# Altium PCB mini3216时钟V2.0.PcbDoc (continued)
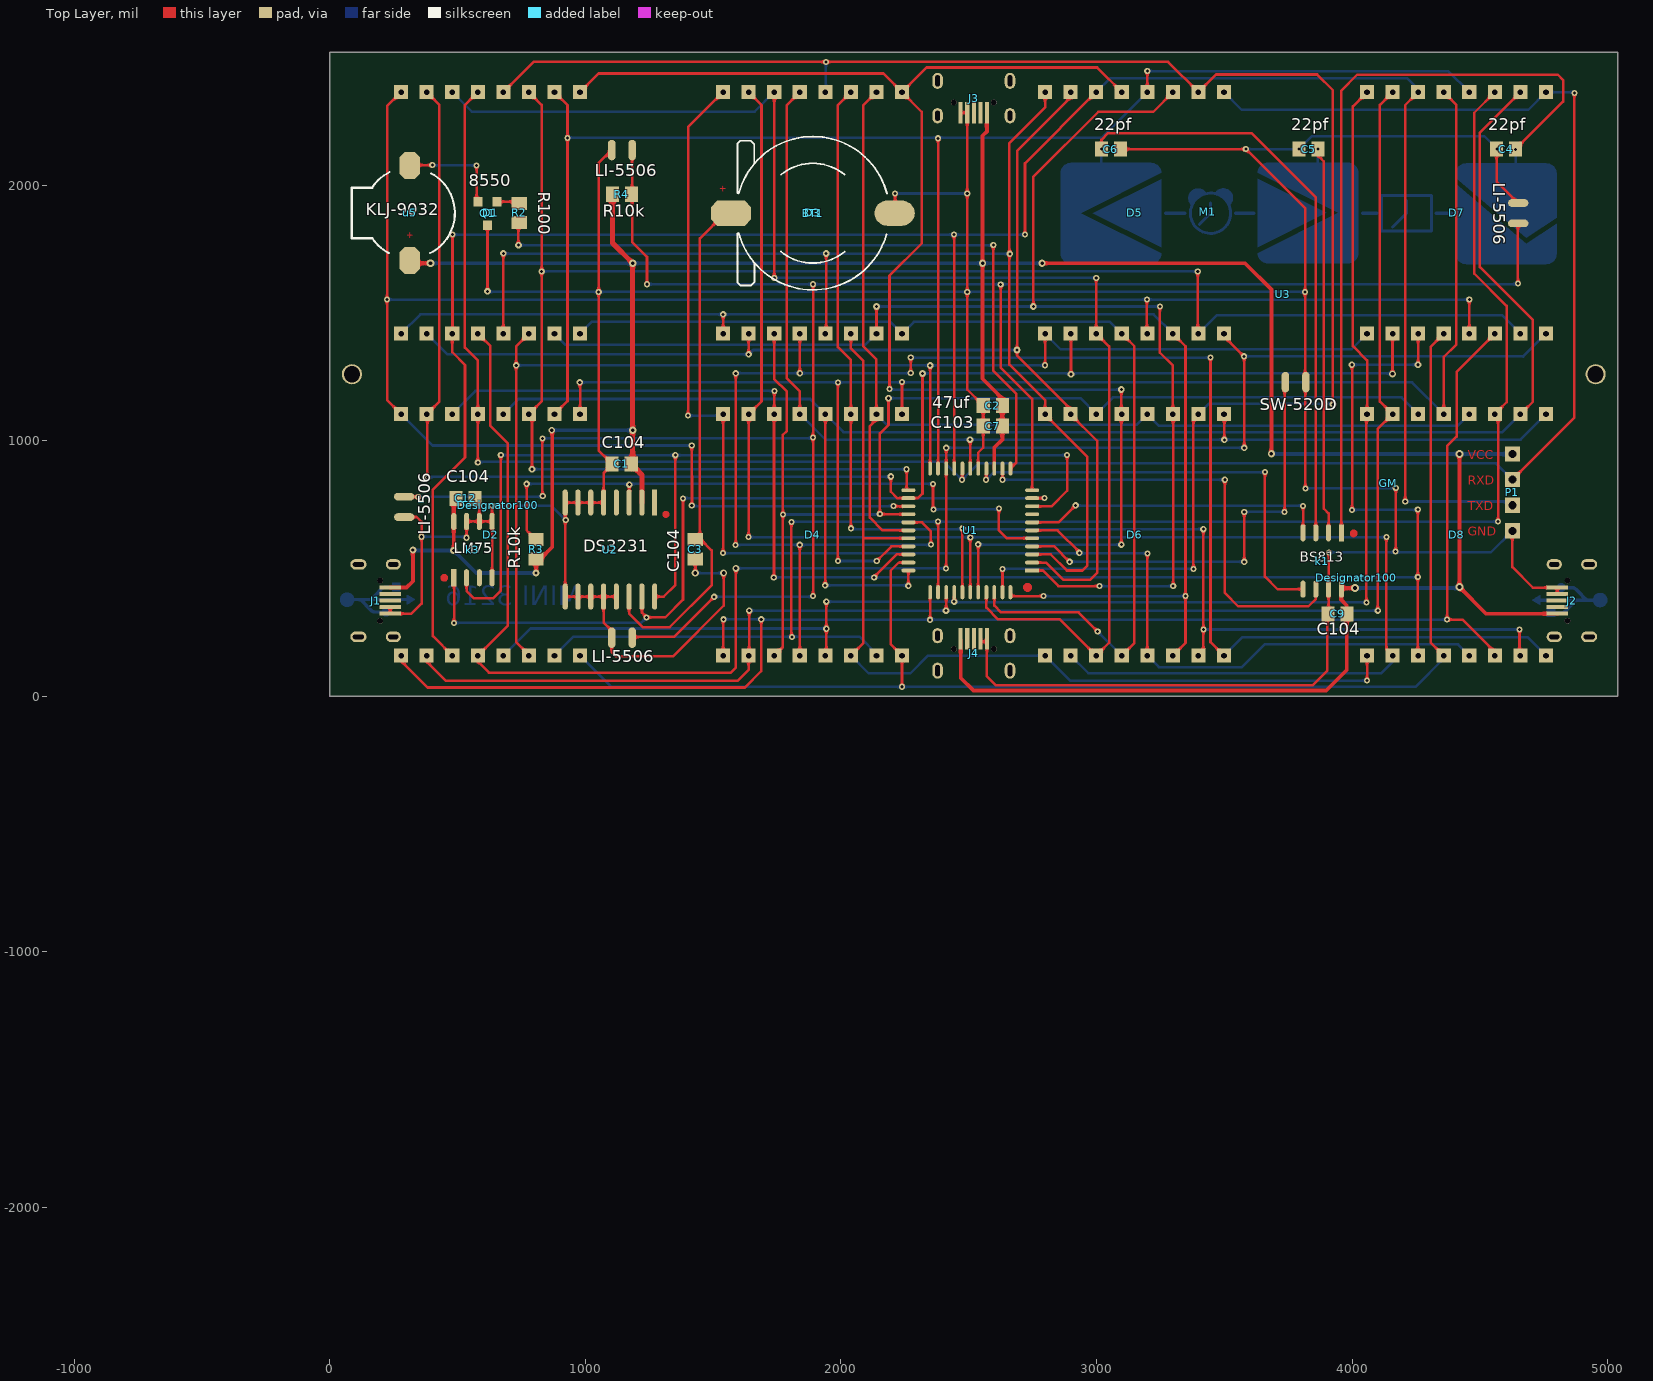
[diagram p0: Top Layer view]
## Nets (pads, with @x,y where several pads share a name; then routed paths per layer and width w, separated by ;. In a path a pad name is that pad's centre, name@x,y a point inside that pad or via, vN(x,y) a via of type N, cw(c..) or ccw(c..) an arc to the next point about the centre after c; other vN are vias at no path point) (continued)
  Bottom Layer w10: v1(1541,301) v1(1688,301) 1689,300 v1(4372,300) ; D8.6 D8.6@4558.53,172.16
H14: D2.7 D4.7 D7.11 D8.11 U1.35 | length 6635.7
  Top Layer w10: v1(1806,682) 1806,239 1811,234 v1(1808,231) ; v1(2379,683) 2380,682 U1.35 ; U1.35@2379.92,405.51 U1.35@2379.92,406.87 ; D7.11 4478,2283.04 4478,1654 4605,1527 4605,1150.2 D8.11 ; D8.11@4567.28,1103.72 D8.11 ; v1(4571,683) 4571,1091.25 D8.11
  Bottom Layer w10: D2.7@879,147.68 D2.7 953.16,233 2072,233 2138.84,166.16 D4.7 ; v1(1806,682) 1809,685 1811,683 v1(2379,683) v1(4571,683)
H15: D2.2 D4.2 D7.15 D8.15 U1.36 | length 6209.1
  Top Layer w10: D2.2 379,136 455,60 1596,60 1638.84,102.84 D4.2 1641,161 v2(1641,335) ; v2(2411,335) 2412,336 U1.36 ; v2(4101,335) 4100,336 4100,1045.2 D8.15 4109,1153.25 4109,2314.04 D7.15 D7.15@4171,2351.09
  Bottom Layer w10: v2(1641,335) v2(2411,335) v2(4101,335)
H16: D2.5 D4.5 D7.16 D8.16 U1.37 | length 5717.7
  Top Layer w10: D4.5 1940,160 1938,162 1943,167 v2(1943,264) v2(1943,370) ; v2(2443,370) U1.37 ; v1(4056,367) 4056,1101.2 D8.16 4058.53,1314.47 4003,1370 4003,2308.04 D7.16
  Bottom Layer w10: D2.5 785.16,265 1942,265 v2(1943,264) ; v2(1943,370) v2(2443,370) 2446,367 v1(4056,367)
INT: SW-520D.1 U1.4 | length 1720.6
  Top Layer w10: U1.4 2835,586 v1(2895,526) ; v1(3578,526) 3577,527 3578,528 v1(3578,721) v1@3578,723 ; v1(3736,721) 3736,1224 3740,1228 SW-520D.1
  Bottom Layer w10: v1(2895,526) v1(3578,526) ; v1(3578,721) v1(3736,721)
INT_1HZ: R3.2 U1.5 U2.3 | length 2482.9
  Top Layer w10: v2(770,831) 770,649.4 R3.2 ; U2.3 1172,758.74 v2(1172,828) v2@1172,829 ; v1(2360,830) 2360,733 v1(2362,731) ; v1(2618,734) 2618,649 2649,618 U1.5 ; U1.5@2748.13,618.11 U1.5@2750,618.11
  Bottom Layer w10: v2(770,831) 2359,831 v1(2360,830) ; v1(2362,731) 2615,731 v1(2618,734)
JACK1: 
JACK2: 
key1: k1.6 U1.13 | length 1784.6
  Top Layer w10: v1@2632,847 U1.13 ; v2(3502,847) 3502,404 3554,352 3829,352 3858,381 k1.6
  Bottom Layer w10: v1(2631.89,847) v2(3502,847)
key2: k1.5 U1.15 | length 1725.5
  Top Layer w10: v1@2569,847 U1.15 ; v1(3659,877) 3659,468.45 3709,418.45 ; 3709.32,418.76 k1.5
  Bottom Layer w10: v1(2568,847) 2597,876 3658,876 v1(3659,877)
key3: k1.4 U1.7 | length 1194.2
  Top Layer w10: U1.7 2850.79,680 2917.79,747 v2(2918,747) ; k1.4 v1(3808,745)
  Bottom Layer w10: v2(2918,747) 2919,746 3807,746 v1(3808,745)
L1: D1.13 D2.13 D5.9 D7.9 P1.2 U1.18 | length 8712.3
  Top Layer w10: v1(579,915) D2.13 579,1313 528.34,1363.66 528.34,2312.91 D1.13 ; U1.18@2474,893.29 2474.41,893.7 U1.18@2474.41,891.13 ; v1@2475,847 U1.18 ; P1.2 4870,1090.43 v1(4870,2361)
  Bottom Layer w10: v1(579,915) 581,917 2404,917 v1(2474,847) 2538,911 4563.13,911 P1.2 ; D5.9 3567.57,2294.68 4689.65,2294.68 D7.9 4867.43,2363.57 v1(4870,2361)
L2: D1.3 D2.3 D5.14 D7.14 P1.3 U1.19 | length 8961.7
  Top Layer w10: D2.3 403,234.84 403,808 529,934 529,1296 479,1346 D1.3 480,1419.68 v1(480,1806) ; v1(2442,1806) 2442.91,1805.09 2442.91,984.91 2443,984.83 U1.19 ; v1@2720,1805 v1(2720,1806) 2720,2084.88 D5.14 ; D5.14@2998.13,2364.13 2998.68,2364.68 D5.14@2998.68,2383 ; v1(4208,762) 4208,2313.04 D7.14
  Bottom Layer w10: v1(480,1806) 481,1805 482,1806 v1(2442,1806) v1(2720,1806) ; D5.14 3053.8,2418.68 4215,2418.68 4258.53,2375.16 D7.14 ; v1(4208,762) 4610.13,762 4625.13,747 4626.13,748 P1.3
L3: D1.4 D2.4 D5.8 D7.8 U1.20 | length 6974.9
  Top Layer w10: D1.4 628,1369.68 628,1058 697,989 697,276.84 D2.4 579,135 622,92 1569,92 1589,112 v3(1589,500) ; v1(2411.42,500) U1.20@2411.42,891.71 ; U1.20 U1.20@2411.42,891.71 ; v2(2412,972) 2412,892.29 U1.20@2411.42,891.71 ; D5.8 3498.68,1407.95 v1(3576.63,1330) ; v2(3578,972) v1@3578,1330
  Bottom Layer w10: v3@1588,500 v3(1589,500) v1(2411.42,500) ; v2(2412,972) v2(3578,972) ; v1(3576.63,1330) 4667.84,1330 4668.84,1329 D7.8 D7.8@4767,1418.68
L4: D1.10 D2.10 D5.12 D7.12 U1.21 | length 6313.5
  Top Layer w10: D2.10 930,1154.72 v1(930,2184) 930,2312.57 D1.10 ; U1.21 v1(2380,2183) ; D5.12 v1(3198.68,2446)
  Bottom Layer w10: v1(930,2184) 932,2186 3021.12,2186 D5.12 ; v1(3198.68,2446) 4376.09,2446 D7.12
L5: D1.6 D2.6 D5.1 D7.1 U1.22 | length 5205.3
  Top Layer w10: D2.6 779,162 729,212 729,1368.69 D1.6 ; U1.22 2349,1005 v2(2349,1294) ; v1(2798,1295) 2798.68,1295.68 D5.1
  Bottom Layer w10: v2(729.32,1294.68) v1@2794,1294.68 ; D5.1@2797.18,1420.18 2859.68,1357.68 3997.53,1357.68 D7.1
L6: D1.11 D2.11 D5.7 D7.7 U1.23 | length 7204
  Top Layer w10: D1.11 829,2313.57 v1(829,1662) 829,1153.72 D2.11 791,1091.72 v2(791,888) ; v1(2257,888) 2257,812.87 U1.23 ; v1(3396,1662) 3396,1421.37 D5.7
  Bottom Layer w10: v2(791,888) v1(2257,888) ; v1(829,1662) v1(3396,1662) ; D5.7 3471,1491 4586.21,1491 D7.7
L7: D1.15 D2.15 D5.2 D7.2 U1.24 | length 6196.6
  Top Layer w10: D1.15 429,2313.57 429,1153.72 D2.15 378,1102.72 382,1098.72 v2(382,855) ; v2(2195,859.68) 2195,800 2220,775 U1.24 2301,775 2319,793 v2(2319,1263) ; D5.2 2901,1416.37 2900,1415.37 v2(2900,1259.68) ; v3(4158,1261) 4158,1418.16 D7.2
  Bottom Layer w10: v2(382,855) 385,858 2193.32,858 v2(2195,859.68) ; v2(2319,1263) 4156,1263 v3(4158,1261)
L8: D1.16 D2.16 D5.5 D7.5 U1.25 | length 8079.6
  Top Layer w10: D2.16 224,1158.72 224,2308.57 D1.16 ; v1(1416,746) 1417,747 v1(1416,981) ; v1(2204.9,744.1) 2206,743 U1.25 ; v1(3197,1552) 3197,1420.37 D5.5 ; D7.5 v1(4458.53,1552)
  Bottom Layer w10: v1(224,1552) v1(3197,1552) v1(4458.53,1552) ; D2.16 401.72,981 v1(1416,981) ; v1(1416,746) 1417.9,744.1 v1(2204.9,744.1)
L9: D3.13 D4.13 D6.9 D8.9 U1.17 | length 4518.8
  Top Layer w10: D4.13 1838.84,1193.16 1788,1244 1788,2312.72 D3.13 ; v2(2505,1004) 2505,993.81 2506,992.81 U1.17 ; D6.9 3500,1102.41 v2(3500,1003)
  Bottom Layer w10: D4.13 1938.57,1004 4658.8,1004 D8.9
L10: D3.3 D4.3 D6.14 D8.14 U1.26 | length 4407
  Top Layer w10: D4.3 1773,193 v1(1773,711) 1773,1023 1788,1038 1788,1192 1738.84,1241.16 D3.3 ; v2(2186,1166) 2186,1062 2152,1028 v1(2152,713) 2153,712 U1.26
  Bottom Layer w10: v1(1773,711) 2150,711 v1(2152,713) ; v2(2186,1166) 2936.41,1166 D6.14 ; D6.14@3002.32,1107.36 D6.14@3005,1104.68 ; D6.14@3005,1110.04 3063.96,1169 4193.25,1169 D8.14
L11: D3.4 D4.4 D6.8 D8.8 U1.27 | length 6614.1
  Top Layer w10: v1@1588.4,591.4 v2(1588.4,1263.4) ; D4.4 v2(1838.84,592) ; v2@1838.84,1263.68 D3.4 ; U1.27@2261.81,681.1 U1.27@2263.87,681.1 ; U1.27 2317,680 2352,645 v1(2352,593) ; v1(2273,1264) v1(2273,1325) ; v1@3446,1324 3446,211.53 D6.8
  Bottom Layer w10: v1@1588.4,592 v2(1838.84,592) 2351,592 v1(2352,593) ; v2@1588.4,1264 1838.68,1264 v2(1839,1263.68) 2272.68,1263.68 v1(2273,1264) ; v1(2273,1325) v1(3446,1325) ; D6.8 3570.84,231 4686.37,231 D8.8 4754,163.37 D8.8@4755,164.37
  other v1: 1588,591
L12: D3.10 D4.10 D6.12 D8.12 U1.28 | length 4281.1
  Top Layer w10: D3.10 2088,2312.72 2088,1369 2138.84,1318.16 D4.10 2138.84,1083 2113,1057.16 2113,699 2163,649 U1.28
  Bottom Layer w10: D4.10 2180.57,1062 3156.96,1062 D6.12 3244.41,1058 4412.8,1058 D8.12
L13: D3.6 D4.6 D6.1 D8.1 U1.29 | length 3692.6
  Top Layer w10: D4.6 2087,207 2087,619 ; D3.6 2038.84,1361.16 2087,1313 2087,619 ; U1.29 2088,618 2087,619 ; v1(4058.53,61.53) D8.1
  Bottom Layer w10: D4.6 2108.68,89 2271.16,89 2341,158.84 D6.1 2896.53,61 4058,61 v1(4058.53,61.53)
L14: D3.11 D4.11 D6.7 D8.7 U1.38 | length 5224.5
  Top Layer w10: D3.11 1988,2312.72 1988,1366 2038.84,1315.16 D4.11 2038.84,657.53 v1(2039.37,657) ; U1.38@2474.41,405.51 U1.38@2474.41,406.87 ; U1.38 2475,655.82 2474.41,656.41 v1(2475,657) ; D6.7 3418,178.16 v2(3418,654) ; v1(4655,261) 4655,162.37 D8.7
  Bottom Layer w10: v1(2039.37,657) 2042.37,654 v2(3418,654) ; v1(3418,261) v1(4655,261)
L15: D3.15 D4.15 D6.2 D8.2 U1.39 | length 6308.9
  Top Layer w10: v1(1638,623) 1638.84,623.84 D4.15 1689,1153.88 1689,2313.41 D3.15 ; U1.39@2505.91,405.51 U1.39@2505.91,406.87 ; U1.39 v1(2506,621) ; D6.2@2898.68,150.37 D6.2 ; v1(4134,623) 4134,183.37 D8.2
  Bottom Layer w10: v1(1638,623) 1639,622 4133,622 v1(4134,623) ; D6.2 2967.53,90 4114.32,90 4158.53,134.21 D8.2
L16: D3.16 D4.16 D6.5 D8.5 U1.6 | length 5624.4
  Top Layer w10: v1(1402,1098) 1402,2226.72 D3.16 ; v1(1538,560) 1538.84,560.84 D4.16 ; U1.6 2848,649 v2@2934.5,562.5 ; D6.5 3198.68,557.68 v1(3200,559)
  Bottom Layer w10: v1(1402,1098) 1533.12,1098 D4.16 ; v1(1538,560) 1539,559 v1(3200,559) ; D6.5 3243.53,114 3569,114 3658,203 4414.37,203 D8.5
  other v2: 2933,561
MOTOR: 
NetBT1_1: BT1.1 C3.1 U2.14 | length 2021.3
  Top Layer w10: U2.14 1171,323 1224,270 1330,270 1494,434 1494,571 1452.6,612.4 C3.1 ; C3.1@1448,630.4 1448,1791 1547,1890 BT1.1
NetC4_2: C4.2 k1.1 | length 3210.2
  Top Layer w10: k1.1 3958,2369.68 4020,2431.68 4805,2431.68 4826,2410.68 4826,2326.76 C4.2
  Bottom Layer w10: 4591,1929.68 4591,1983.68 4640,2032.68 v1(4640,2139.68)
NetC5_2: C5.2 k1.2 | length 1636.5
  Top Layer w10: C5.2 3866.92,2115.08 3889,2093 3889,734 3908,715 k1.2
  Bottom Layer w10: 3866,2023.68 v1(3866,2141.68)
NetC6_2: C6.2 k1.3 | length 2385.2
  Top Layer w10: v1(3019.12,2140.68) 3019.12,2177.12 3045,2203 3607,2203 3858,1952 k1.3
  Bottom Layer w10: 3018,2058.68 3019.12,2059.8 v1(3019.12,2140.68)
NetQ1_1: Q1.1 R2.2 | length 79.7
  Top Layer w10: Q1.1 R2.2@734.14,1935.26
NetQ1_2: Q1.2 u5.2 | length 403.5
  Top Layer w10: u5.2 313.82,2078 v1(401,2078) ; Q1.2@574,1935.26 v1(574,2077)
  Bottom Layer w10: v1(401,2078) 402,2077 v1(574,2077)
NetR1_1: 
OUT1: 
OUT2: 
SCL: k3.2 U1.9 U2.16 | length 3867.8
  Top Layer w10: k3.2 535,412 564,383 639,383 669,413 v1(669,944) ; U2.16 1306.63,389.63 1352,435 v2(1352,943) ; U1.9 2824,743 2885,804 v1(2885,944)
  Bottom Layer w10: v1@669,943 v2(1352,943) 2885,943 v1(2885,944)
SDA: k3.1 U1.10 U2.15 | length 3062.3
  Top Layer w10: k3.1 486,462.45 v1(486,287) ; U2.15 1221,327 v1(1239.5,308.5) 1312.5,308.5 1382,378 v1(1382,774) ; U1.10 v1(2797,775) ; U1.10@2748.13,775.59 U1.10@2750,775.59
  Bottom Layer w10: v1(486,287) 1218,287 v1(1239.5,308.5) ; v1(1382,774) 1384,776 1385,775 v1(2797,775)
USB_ID: 
USB_ID2: 
VCC: C1.1 C2.1 C7.1 C9.2 C12.1 J1.1 J2.1 J3.1 J4.1 k1.8 k3.8 P1.1 R3.1 R4.1 U1.14 U2.2 u5.1 | length 13018.4
  Top Layer w15: J1.1 300.2,425.2 325,450 v6(325,572) ; u5.1@323.82,1694 v4(394,1694) ; v6(485,570) k3.8 485,765.4 C12.1 ; v6(807,482) R3.1 824.6,537.6 870,583 870,1039 v8(868,1041) ; J4.1@2468.5,220.47 2468.5,71.5 2518,22 3899,22 3979,102 3979,355 3958,376 k1.8 3962.24,423 v5(4011,423) ; J3.1 2570.87,2209.87 2554,2193 2554,1242 2635,1161 2635,1150.4 2631.4,1146.8 C7.1 2631.4,1004.4 2600,973 U1.14 ; v3(2787,1694) 3581,1694 3684,1591 v3(3684,949) ; v5(4420,948) 4421,947 4420,946 v5(4420,427) 4524.17,322.83 J2.1
  Top Layer w20: u5.1 u5.1@323.82,1694 ; R4.1 1105.6,1773.4 v4(1185,1694) v4(1185,1041) 1185,902 1221,866 U2.2
  Bottom Layer w15: v6(325,572) 327,570 v6(485,570) 573,482 v6(807,482) ; v4(394,1694) v4(1185,1694) v3(2554,1694) v3(2787,1694) ; v8(868,1041) v4(1185,1041) ; v3(3684,949) 3685,948 v5(4420,948) 4420.72,947.28 P1.1 ; v5(4011,423) 4416,423 v5(4420,427)
VL: 
Voice1: 
pads on no net: J1.0 J1.2 J1.3 J2.0 J2.2 J2.3 J3.0 J3.2 J3.3 J4.0 J4.2 J4.3 k3.3 U1.8 U2.1 U2.4
copper on no net: | length 19458.5
  Top Layer w18: 1320,711.68 ccw(c1315,711.68) 1320,711.68
  Top Layer w20: 453,463 ccw(c448,463) 453,463 ; 4011,637 ccw(c4006,637) 4011,637
  Top Layer w25: 2735,426 ccw(c2730,426) 2735,426
  Bottom Layer w1: 40,372.68 94,372.68 ; 40,373.68 95,373.68 ; 40,374.68 326,374.68 ; 40,375.68 327,375.68 ; 40,376.68 329,376.68 ; 40,377.68 331,377.68 ; 40,378.68 333,378.68 ; 40,379.68 332,379.68 ; 40,380.68 330,380.68 ; 40,381.68 328,381.68 ; 40,382.68 326,382.68 ; 40,383.68 325,383.68 ; 40,384.68 94,384.68 ; 40,385.68 94,385.68 ; 41,371.68 93,371.68 ; 42,369.68 93,369.68 ; 42,370.68 93,370.68 ; 42,386.68 93,386.68 ; 42,387.68 93,387.68 ; 42,388.68 93,388.68 ; 43,367.68 92,367.68 ; 43,368.68 92,368.68 ; 43,389.68 92,389.68 ; 43,390.68 92,390.68 ; 44,365.68 91,365.68 ; 44,366.68 91,366.68 ; 44,391.68 91,391.68 ; 44,392.68 91,392.68 ; 45,363.68 90,363.68 ; 45,364.68 90,364.68 ; 45,393.68 90,393.68 ; 46,362.68 89,362.68 ; 46,394.68 89,394.68 ; 47,360.68 87,360.68 ; 47,361.68 88,361.68 ; 47,395.68 88,395.68 ; 47,396.68 88,396.68 ; 48,359.68 86,359.68 ; 48,397.68 87,397.68 ; 49,398.68 86,398.68 ; 50,358.68 85,358.68 ; 50,399.68 85,399.68 ; 51,357.68 84,357.68 ; 52,356.68 83,356.68 ; 52,400.68 83,400.68 ; 53,401.68 82,401.68 ; 54,355.68 81,355.68 ; 55,402.68 80,402.68 ; 56,354.68 80,354.68 ; 57,403.68 78,403.68 ; 58,353.68 77,353.68 ; 60,404.68 75,404.68 ; 61,352.68 74,352.68 ; 65,405.68 70,405.68 ; 114,373.68 135,373.68 ; 118,372.68 135,372.68 ; 120,371.68 136,371.68 ; 122,370.68 137,370.68 ; 123,369.68 138,369.68 ; 124,368.68 139,368.68 ; 125,367.68 139,367.68 ; 126,366.68 141,366.68 ; 127,365.68 141,365.68 ; 128,364.68 142,364.68 ; 129,363.68 143,363.68 ; 130,362.68 144,362.68 ; 131,361.68 145,361.68 ; 132,360.68 146,360.68 ; 133,359.68 147,359.68 ; 134,358.68 148,358.68 ; 135,357.68 149,357.68 ; 136,355.68 151,355.68 ; 136,356.68 150,356.68 ; 137,354.68 152,354.68 ; 138,353.68 153,353.68 ; 139,352.68 154,352.68 ; 140,351.68 155,351.68 ; 141,350.68 156,350.68 ; 142,349.68 157,349.68 ; 143,348.68 158,348.68 ; 144,347.68 159,347.68 ; 145,346.68 159,346.68 ; 146,345.68 160,345.68 ; 147,344.68 161,344.68 ; 148,343.68 162,343.68 ; 149,342.68 163,342.68 ; 150,341.68 164,341.68 ; 151,340.68 165,340.68 ; 152,339.68 166,339.68 ; 153,338.68 167,338.68 ; 154,337.68 168,337.68 ; 155,335.68 173,335.68 ; 155,336.68 170,336.68 ; 156,334.68 235,334.68 ; 157,333.68 235,333.68 ; 158,332.68 235,332.68 ; 158,384.68 176,384.68 ; 160,331.68 235,331.68 ; 160,385.68 176,385.68 ; 161,330.68 235,330.68 ; 162,329.68 235,329.68 ; 162,386.68 177,386.68 ; 164,328.68 235,328.68 ; 164,387.68 178,387.68 ; 165,388.68 179,388.68 ; 166,327.68 235,327.68 ; 166,389.68 180,389.68 ; 167,390.68 181,390.68 ; 168,326.68 235,326.68 ; 168,391.68 182,391.68 ; 168,392.68 183,392.68 ; 169,393.68 184,393.68 ; 170,394.68 185,394.68 ; 171,325.68 235,325.68 ; 171,395.68 186,395.68 ; 172,396.68 187,396.68 ; 173,397.68 187,397.68 ; 174,398.68 188,398.68 ; 175,399.68 189,399.68 ; 176,400.68 190,400.68 ; 177,401.68 191,401.68 ; 178,402.68 192,402.68 ; 179,403.68 193,403.68 ; 180,404.68 194,404.68 ; 181,405.68 195,405.68 ; 182,406.68 196,406.68 ; 183,407.68 197,407.68 ; 184,408.68 198,408.68 ; 184,409.68 199,409.68 ; 185,410.68 200,410.68 ; 186,411.68 201,411.68 ; 187,412.68 202,412.68 ; 188,413.68 203,413.68 ; 189,414.68 204,414.68 ; 190,415.68 205,415.68 ; 191,416.68 205,416.68 ; 192,417.68 206,417.68 ; 193,418.68 207,418.68 ; 194,419.68 209,419.68 ; 195,420.68 210,420.68 ; 196,421.68 212,421.68 ; 197,422.68 216,422.68 ; 198,423.68 276,423.68 ; 199,424.68 276,424.68 ; 200,425.68 276,425.68 ; 201,426.68 276,426.68 ; 203,427.68 276,427.68 ; 204,324.68 235,324.68 ; 204,428.68 276,428.68 ; 205,322.68 234,322.68 ; 205,323.68 234,323.68 ; 205,335.68 234,335.68 ; 205,336.68 234,336.68 ; 206,320.68 233,320.68 ; 206,321.68 233,321.68 ; 206,337.68 233,337.68 ; 206,338.68 233,338.68 ; 206,429.68 276,429.68 ; 207,319.68 232,319.68 ; 207,339.68 232,339.68 ; 208,318.68 231,318.68 ; 208,340.68 231,340.68 ; 208,430.68 276,430.68 ; 209,317.68 230,317.68 ; 209,341.68 230,341.68 ; 210,342.68 229,342.68 ; 210,431.68 276,431.68 ; 211,316.68 229,316.68 ; 212,315.68 227,315.68 ; 212,343.68 228,343.68 ; 214,314.68 225,314.68 ; 214,344.68 226,344.68 ; 215,432.68 276,432.68 ; 217,345.68 222,345.68 ; 244,412.68 276,412.68 ; 244,413.68 276,413.68 ; 244,414.68 276,414.68 ; 244,415.68 276,415.68 ; 244,416.68 276,416.68 ; 244,417.68 276,417.68 ; 244,418.68 276,418.68 ; 244,419.68 276,419.68 ; 244,420.68 276,420.68 ; 244,421.68 276,421.68 ; 244,422.68 276,422.68 ; 244,433.68 276,433.68 ; 244,434.68 276,434.68 ; 244,435.68 276,435.68 ; 244,436.68 276,436.68 ; 244,437.68 276,437.68 ; 244,438.68 276,438.68 ; 244,439.68 276,439.68 ; 244,440.68 276,440.68 ; 244,441.68 276,441.68 ; 244,442.68 276,442.68 ; 245,443.68 276,443.68 ; 301,361.68 303,361.68 ; 301,362.68 305,362.68 ; 301,363.68 307,363.68 ; 301,364.68 309,364.68 ; 301,365.68 310,365.68 ; 301,366.68 312,366.68 ; 301,367.68 314,367.68 ; 301,368.68 315,368.68 ; 301,369.68 317,369.68 ; 301,370.68 319,370.68 ; 301,371.68 321,371.68 ; 301,372.68 322,372.68 ; 301,373.68 324,373.68 ; 301,384.68 323,384.68 ; 301,385.68 321,385.68 ; 301,386.68 320,386.68 ; 301,387.68 318,387.68 ; 301,388.68 316,388.68 ; 301,389.68 314,389.68 ; 301,390.68 312,390.68 ; 301,391.68 311,391.68 ; 301,392.68 309,392.68 ; 301,393.68 307,393.68 ; 301,394.68 306,394.68 ; 301,395.68 304,395.68 ; 4705,377.32 4998,377.32 ; 4706,376.32 4998,376.32 ; 4707,378.32 4998,378.32 ; 4708,375.32 4998,375.32 ; 4709,379.32 4998,379.32 ; 4710,374.32 4998,374.32 ; 4711,380.32 4998,380.32 ; 4712,373.32 4998,373.32 ; 4712,381.32 4998,381.32 ; 4713,372.32 4998,372.32 ; 4714,382.32 4737,382.32 ; 4715,371.32 4737,371.32 ; 4716,383.32 4737,383.32 ; 4717,370.32 4737,370.32 ; 4717,384.32 4737,384.32 ; 4718,369.32 4737,369.32 ; 4719,385.32 4737,385.32 ; 4720,368.32 4737,368.32 ; 4721,386.32 4737,386.32 ; 4722,367.32 4737,367.32 ; 4723,387.32 4737,387.32 ; 4724,366.32 4737,366.32 ; 4724,388.32 4737,388.32 ; 4726,365.32 4737,365.32 ; 4726,389.32 4737,389.32 ; 4727,364.32 4737,364.32 ; 4728,390.32 4737,390.32 ; 4729,363.32 4737,363.32 ; 4729,391.32 4737,391.32 ; 4731,362.32 4737,362.32 ; 4731,392.32 4737,392.32 ; 4732,361.32 4737,361.32 ; 4733,393.32 4737,393.32 ; 4734,360.32 4737,360.32 ; 4735,394.32 4737,394.32 ; 4762,312.32 4793,312.32 ; 4762,313.32 4794,313.32 ; 4762,314.32 4794,314.32 ; 4762,315.32 4794,315.32 ; 4762,316.32 4794,316.32 ; 4762,317.32 4794,317.32 ; 4762,318.32 4794,318.32 ; 4762,319.32 4794,319.32 ; 4762,320.32 4794,320.32 ; 4762,321.32 4794,321.32 ; 4762,322.32 4794,322.32 ; 4762,323.32 4823,323.32 ; 4762,324.32 4828,324.32 ; 4762,325.32 4830,325.32 ; 4762,326.32 4832,326.32 ; 4762,327.32 4834,327.32 ; 4762,328.32 4835,328.32 ; 4762,329.32 4837,329.32 ; 4762,330.32 4838,330.32 ; 4762,331.32 4839,331.32 ; 4762,332.32 4840,332.32 ; 4762,333.32 4794,333.32 ; 4762,334.32 4794,334.32 ; 4762,335.32 4794,335.32 ; 4762,336.32 4794,336.32 ; 4762,337.32 4794,337.32 ; 4762,338.32 4794,338.32 ; 4762,339.32 4794,339.32 ; 4762,340.32 4794,340.32 ; 4762,341.32 4794,341.32 ; 4762,342.32 4794,342.32 ; 4762,343.32 4794,343.32 ; 4803,421.32 4882,421.32 ; 4803,422.32 4881,422.32 ; 4803,423.32 4880,423.32 ; 4803,424.32 4878,424.32 ; 4803,425.32 4877,425.32 ; 4803,426.32 4876,426.32 ; 4803,427.32 4874,427.32 ; 4803,428.32 4872,428.32 ; 4803,429.32 4870,429.32 ; 4803,430.32 4867,430.32 ; 4803,431.32 4834,431.32 ; 4804,419.32 4833,419.32 ; 4804,420.32 4833,420.32 ; 4804,432.32 4833,432.32 ; 4804,433.32 4833,433.32 ; 4805,417.32 4832,417.32 ; 4805,418.32 4832,418.32 ; 4805,434.32 4832,434.32 ; 4805,435.32 4832,435.32 ; 4806,416.32 4831,416.32 ; 4806,436.32 4831,436.32 ; 4807,415.32 4830,415.32 ; 4807,437.32 4830,437.32 ; 4808,414.32 4829,414.32 ; 4808,438.32 4829,438.32 ; 4809,413.32 4828,413.32 ; 4809,439.32 4827,439.32 ; 4810,412.32 4826,412.32 ; 4811,440.32 4826,440.32 ; 4812,411.32 4824,411.32 ; 4813,441.32 4824,441.32 ; 4816,410.32 4821,410.32 ; 4822,333.32 4841,333.32 ; 4826,334.32 4842,334.32 ; 4828,335.32 4843,335.32 ; 4829,336.32 4844,336.32 ; 4831,337.32 4845,337.32 ; 4832,338.32 4846,338.32 ; 4833,339.32 4847,339.32 ; 4833,340.32 4848,340.32 ; 4834,341.32 4849,341.32 ; 4835,342.32 4850,342.32 ; 4836,343.32 4851,343.32 ; 4837,344.32 4852,344.32 ; 4838,345.32 4853,345.32 ; 4839,346.32 4854,346.32 ; 4840,347.32 4854,347.32 ; 4841,348.32 4855,348.32 ; 4842,349.32 4856,349.32 ; 4843,350.32 4857,350.32 ; 4844,351.32 4858,351.32 ; 4845,352.32 4859,352.32 ; 4846,353.32 4860,353.32 ; 4847,354.32 4861,354.32 ; 4848,355.32 4862,355.32 ; 4849,356.32 4863,356.32 ; 4850,357.32 4864,357.32 ; 4851,358.32 4865,358.32 ; 4851,359.32 4866,359.32 ; 4852,360.32 4867,360.32 ; 4853,361.32 4868,361.32 ; 4854,362.32 4869,362.32 ; 4855,363.32 4870,363.32 ; 4856,364.32 4870,364.32 ; 4857,365.32 4871,365.32 ; 4858,366.32 4872,366.32 ; 4859,367.32 4873,367.32 ; 4860,368.32 4874,368.32 ; 4861,369.32 4876,369.32 ; 4862,370.32 4878,370.32 ; 4862,371.32 4880,371.32 ; 4865,420.32 4883,420.32 ; 4868,419.32 4883,419.32 ; 4870,418.32 4884,418.32 ; 4871,417.32 4885,417.32 ; 4872,416.32 4886,416.32 ; 4873,415.32 4887,415.32 ; 4874,414.32 4888,414.32 ; 4875,413.32 4889,413.32 ; 4876,412.32 4890,412.32 ; 4877,411.32 4891,411.32 ; 4878,410.32 4892,410.32 ; 4879,408.32 4894,408.32 ; 4879,409.32 4893,409.32 ; 4880,407.32 4895,407.32 ; 4881,406.32 4896,406.32 ; 4882,405.32 4897,405.32 ; 4883,404.32 4898,404.32 ; 4884,403.32 4899,403.32 ; 4885,402.32 4900,402.32 ; 4886,401.32 4901,401.32 ; 4887,400.32 4902,400.32 ; 4888,399.32 4902,399.32 ; 4889,398.32 4903,398.32 ; 4890,397.32 4904,397.32 ; 4891,396.32 4905,396.32 ; 4892,395.32 4906,395.32 ; 4893,394.32 4907,394.32 ; 4894,393.32 4908,393.32 ; 4895,392.32 4909,392.32 ; 4896,391.32 4910,391.32 ; 4897,389.32 4912,389.32 ; 4897,390.32 4911,390.32 ; 4899,387.32 4914,387.32 ; 4899,388.32 4913,388.32 ; 4900,386.32 4915,386.32 ; 4901,385.32 4916,385.32 ; 4902,384.32 4918,384.32 ; 4903,382.32 4924,382.32 ; 4903,383.32 4920,383.32 ; 4943,382.32 4998,382.32 ; 4944,370.32 4998,370.32 ; 4944,371.32 4998,371.32 ; 4944,383.32 4998,383.32 ; 4945,367.32 4996,367.32 ; 4945,368.32 4996,368.32 ; 4945,369.32 4996,369.32 ; 4945,384.32 4997,384.32 ; 4945,385.32 4996,385.32 ; 4945,386.32 4996,386.32 ; 4946,365.32 4995,365.32 ; 4946,366.32 4995,366.32 ; 4946,387.32 4995,387.32 ; 4946,388.32 4995,388.32 ; 4947,363.32 4994,363.32 ; 4947,364.32 4994,364.32 ; 4947,389.32 4994,389.32 ; 4947,390.32 4994,390.32 ; 4948,362.32 4993,362.32 ; 4948,391.32 4993,391.32 ; 4948,392.32 4993,392.32 ; 4949,361.32 4992,361.32 ; 4949,393.32 4992,393.32 ; 4950,359.32 4991,359.32 ; 4950,360.32 4991,360.32 ; 4950,394.32 4991,394.32 ; 4951,358.32 4990,358.32 ; 4951,395.32 4991,395.32 ; 4952,357.32 4989,357.32 ; 4952,396.32 4990,396.32 ; 4953,356.32 4988,356.32 ; 4953,397.32 4988,397.32 ; 4954,398.32 4987,398.32 ; 4955,355.32 4986,355.32 ; 4955,399.32 4986,399.32 ; 4956,354.32 4985,354.32 ; 4957,400.32 4984,400.32 ; 4958,353.32 4983,353.32 ; 4958,401.32 4982,401.32 ; 4960,352.32 4981,352.32 ; 4961,402.32 4980,402.32 ; 4963,351.32 4978,351.32 ; 4964,403.32 4977,403.32 ; 4968,350.32 4973,350.32
  Bottom Layer w11.81: 3372.67,1926.74 cw(c3396.94,1948.83) 3423.57,1968.02 ; 3402.5,1846.27 3446,1889.77 3446,1929.14 ; 3469.37,1968.96 cw(c3496,1949.77) 3519.21,1926.56 ; 4158.87,1835.63 4213,1889.76 4213,1938.98 ; 3524.74,1889.77 ccw(c3446,1889.77) 3524.74,1889.77 ; 4114.57,1820.87 4114.57,1958.66 4311.43,1958.66 4311.43,1820.87 4114.57,1820.87
  Bottom Layer w15: 3271.65,1889.76 3345,1889.76 ; 3545,1889.68 3614.17,1889.68 ; 4041.34,1889.76 4096,1889.76 ; 4330,1889.76 4389.76,1889.76

## Keep-outs
Keep-Out Layer:
  the board outline again, w1

## Other copper
Top Layer:
  text "＋" at 1514,1957 h60
  text "＋" at 290,1774 h60
  text "VCC" at 4452.08,928 h35
  text "RXD" at 4452.08,827.35 h35
  text "TXD" at 4452.08,727.45 h35
  text "GND" at 4452.08,628.31 h35
Bottom Layer:
  region: 3253,1755.98 2985.4,1889.77 2985.35,1889.87 3253,2023.69
  region: 3897.94,1890.8 3630.3,1756.98 3630.3,2024.69
  region: 3419,1967.77 3407,1979.77 3385,1979.77 3368,1962.77 3366,1962.77 3366,1948.77 3369,1945.77 3369,1930.4 3372.67,1926.74 3388.7,1942.77 3391,1942.77 3416.25,1968.02 3423.57,1968.02
  region: 3519.21,1926.56 3524,1931.35 3524,1961.77 3508,1977.77 3478.18,1977.77 3469.37,1968.96 3481.57,1956.77 3495,1956.77 3519.21,1932.56
  pour cut-out: 3387.5,1934.5 3401,1948 3417.84,1957.84 3432,1961.5 3446.5,1962.5 3461,1961.5 3475.16,1957.84 3491,1948 3497,1942 3506,1931 3514,1919 3517.75,1904.75 3519,1890 3515,1860.68 3499,1838 3477,1822.68 3461,1818 3445,1816 3413,1822.68 3392,1840 3378,1860.68 3373.5,1874 3373.5,1887.5 3373.5,1899 3376,1907.68 3376,1910.66 3378,1917 3380.16,1923.84
  pour cut-out: 4114.57,1958.66 4311.43,1958.66 4311.43,1820.87 4114.57,1820.87
  region net NetC6_2: 3253,1732.35 cw(c3213.63,1732.35) 3213.63,1692.98 2898.67,1692.98 cw(c2898.67,1732.35) 2859.3,1732.35 2859.3,2047.31 cw(c2898.67,2047.31) 2898.67,2086.68 3213.63,2086.68 cw(c3213.63,2047.31) 3253,2047.31 2938.04,1889.83
  region net NetC5_2: 4024,1733.35 cw(c3984.63,1733.35) 3984.63,1693.98 3669.67,1693.98 cw(c3669.67,1733.35) 3630.3,1733.35 3945.26,1890.83 3630.3,2048.31 cw(c3669.67,2048.31) 3669.67,2087.68 3984.63,2087.68 cw(c3984.63,2048.31) 4024,2048.31
  region: 4800,1730.35 cw(c4760.63,1730.35) 4760.63,1690.98 4445.67,1690.98 cw(c4445.67,1730.35) 4406.3,1730.35 4406.3,2005.94 4681.89,1769.73 4800,1848.46
  region net NetC4_2: 4800,1872.09 4681.89,1793.35 4406.3,2029.57 4406.3,2045.31 cw(c4445.67,2045.31) 4445.67,2084.68 4760.63,2084.68 cw(c4760.63,2045.31) 4800,2045.31
  text "MINI 3216" at 982,330 h130

## Silkscreen, mask and mechanical layers (free items; w line width, h text height)
Top Overlay:
  text "22pf" at 2991,2198 h80
  text "22pf" at 3761,2198 h80
  text "22pf" at 4533,2198 h80
  text "8550" at 543,1980 h80
  text "R100" at 800,1973 h80 r270
  text "KLJ-9032" at 141,1867 h80
  text "R10k" at 1068,1860 h80
  text "47uf" at 2357,1111 h80
  text "C103" at 2352,1033 h80
  text "C104" at 1063,955 h80
  text "C104" at 456,821 h80
  text "DS3231" at 991,549 h80
  text "LM75" at 485,545.08 h70
  text "BS813" at 3796,512 h65
  text "R10k" at 760,499 h80 r90
  text "C104" at 1382,486 h80 r90
  text "C104" at 3862,224 h80
Top Solder:
  circle w20: c448,463 r5
  circle w25: c2730,426 r5
  circle w18: c1315,711.68 r5
  circle w20: c4006,637 r5
  text "＋" at 1514,1957 h60
  text "＋" at 290,1774 h60
  text "VCC" at 4452.08,928 h35
  text "RXD" at 4452.08,827.35 h35
  text "TXD" at 4452.08,727.45 h35
  text "GND" at 4452.08,628.31 h35
Bottom Solder:
  drawing of 442 lines, arcs and shapes, not listed
  text "MINI 3216" at 982,330 h130